# Altium PCB Copy of PCB.PcbDoc (part 1 of 3) (continued)
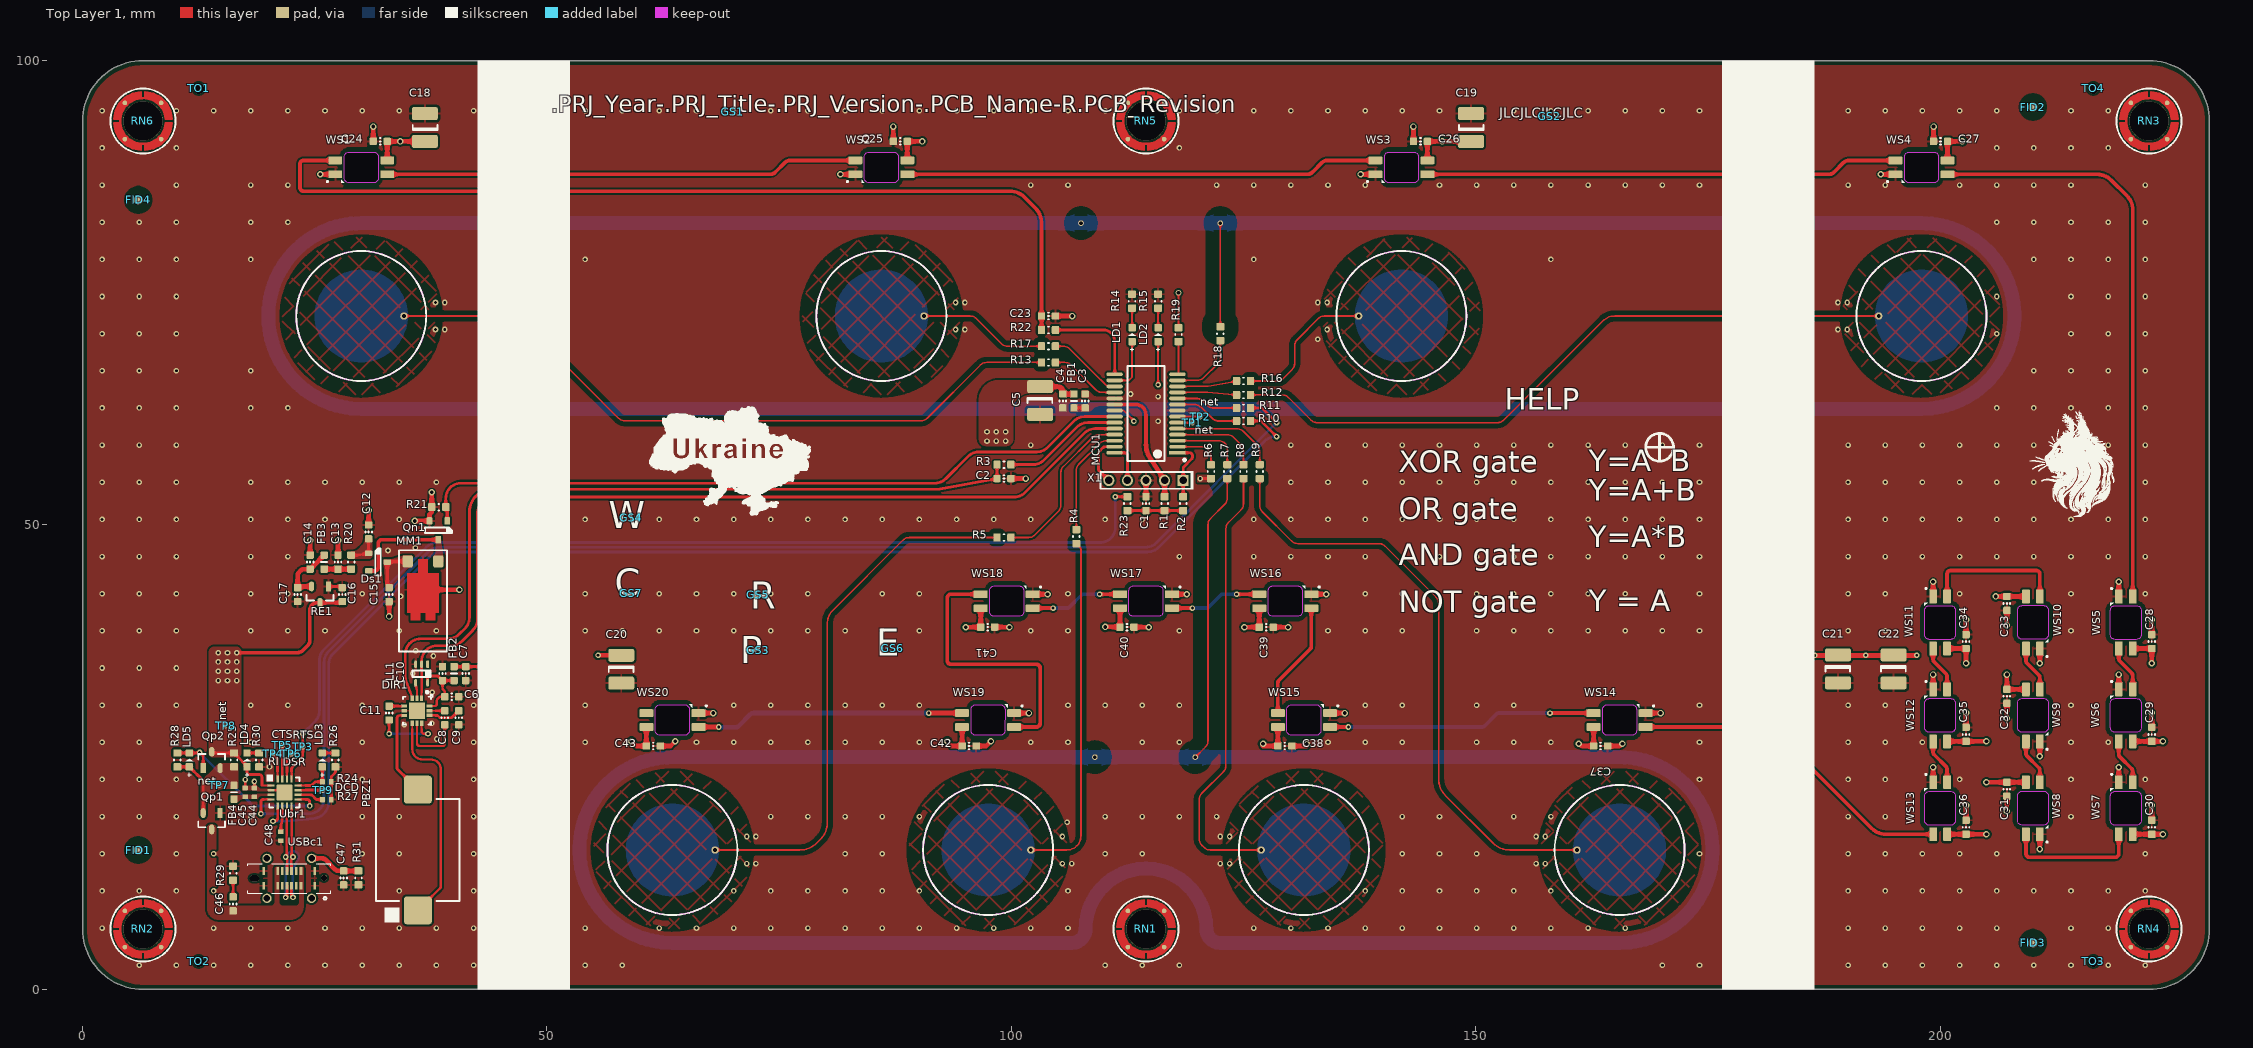
[diagram p0: Top Layer 1 view]
## Design rules (kind name [scope] priority, off if disabled: settings) (continued)
16 further rules are at their usual default settings.

## Classes and differential pairs
net class USB90Ohm: D_N D_P
component class "Touch Sensors": PSE1 PSE2 PSE3 PSE4 PSE5 TSE1 TSE2 TSE3 TSE4 TSE5 TSE6 TSE7 TSE8
component class Sound: C6 C7 C8 C9 C10 C11 C12 C13 C14 C15 C16 C17 DIR1 Ds1 FB2 FB3 LL1 MM1 PBZ1 Qn1 R20 R21 RE1
component class Power: C44 C45 C46 C47 C48 FB4 LD3 LD4 LD5 Qp1 Qp2 R23 R24 R25 R26 R27 R28 R29 R30 R31 TP3 TP4 TP5 TP6 TP7 TP8 TP9 Ubr1 USBc1
component class MCU: C1 C2 C3 C4 C5 FB1 LD1 LD2 MCU1 R1 R2 R3 R4 R5 R6 R7 R8 R9 R10 R11 R12 R13 R14 R15 R16 R17 R18 R19 TP1 TP2 X1
component class Display: C23 C25 C27 C29 C31 C33 C35 C36 C37 C38 C39 C42 C44 C45 C46 C47 C48 R22 WS1 WS2 WS3 WS4 WS5 WS6 WS7 WS8 WS9 WS10 WS11 WS12 WS13 WS14 WS15 WS16 WS17 WS18 WS19 WS20
differential pair D: +D_P -D_N

## Components (designator, comment, footprint, x,y, rotation, side; value= is the part's Value field where it differs from the comment)
C1 "100 nF ±10% 50V" CC0603(1608)x0.8 114.5,52.3 r270 top value=100nF
C2 "10 nF ±10% 50V" CC0603(1608)x0.8 99.208,55 r180 top value=10nF
C3 "100 nF ±10% 50V" CC0603(1608)x0.8 107.95,63.35 r270 top value=100nF
C4 "100 nF ±10% 50V" CC0603(1608)x0.8 105.55,63.35 r90 top value=100nF
C5 "100UF 6.3V CASE-B_3528" TANTAL_B 103.1,63.4 r270 top value=100uF
C6 "100 nF ±10% 50V" CC0603(1608)x0.8 39.75,31.5 r180 top value=100nF
C7 "100 nF ±10% 50V" CC0603(1608)x0.8 41.25,34 r90 top value=100nF
C8 "1uF ±10% 50V 0603" CC0603(1608)x0.8 39,29.25 r270 top value=1uF
C9 "2.2uF ±10% 16V 0603" CC0603(1608)x0.8 40.5,29.25 r270 top value=2.2uF
C10 "100 nF ±10% 50V" CC0603(1608)x0.8 38.75,34 r270 top value=100nF
C11 "1uF ±10% 50V 0603" CC0603(1608)x0.8 33,29.75 r270 top value=1uF
C12 "100 nF ±10% 50V" CC0603(1608)x0.8 30.8,49.25 r270 top value=100nF
C13 "100 nF ±10% 50V" CC0603(1608)x0.8 27.5,46 r270 top value=100nF
C14 "100 nF ±10% 50V" CC0603(1608)x0.8 24.5,46 r270 top value=100nF
C15 "100 nF ±10% 50V" CC0603(1608)x0.8 33,42.5 r90 top value=100nF
C16 "1uF ±10% 50V 0603" CC0603(1608)x0.8 27.957,42.509 r270 top value=1uF
C17 "1uF ±10% 50V 0603" CC0603(1608)x0.8 23.15,42.509 r90 top value=1uF
C18 "100UF 6.3V CASE-B_3528" TANTAL_B 36.847,92.8 r90 top value=100uF
C19 "100UF 6.3V CASE-B_3528" TANTAL_B 149.5,92.8 r90 top value=100uF
C20 "100UF 6.3V CASE-B_3528" TANTAL_B 58,34.47 r270 top value=100uF
C21 "100UF 6.3V CASE-B_3528" TANTAL_B 189,34.5 r270 top value=100uF
C22 "100UF 6.3V CASE-B_3528" TANTAL_B 195,34.5 r270 top value=100uF
C23 "220 pF ±10%" CC0603(1608)x0.8 104,72.5 r180 top value=220pF
C24 "100 nF ±10% 50V" CC0603(1608)x0.8 32.05,91.3 r0 top value=100nF
C25 "100 nF ±10% 50V" CC0603(1608)x0.8 88.05,91.3 r0 top value=100nF
C26 "100 nF ±10% 50V" CC0603(1608)x0.8 144.05,91.3 r0 top value=100nF
C27 "100 nF ±10% 50V" CC0603(1608)x0.8 200.05,91.3 r0 top value=100nF
C28 "100 nF ±10% 50V" CC0603(1608)x0.8 222.8,37.45 r270 top value=100nF
C29 "100 nF ±10% 50V" CC0603(1608)x0.8 222.8,27.45 r270 top value=100nF
C30 "100 nF ±10% 50V" CC0603(1608)x0.8 222.8,17.45 r270 top value=100nF
C31 "100 nF ±10% 50V" CC0603(1608)x0.8 207.2,21.55 r90 top value=100nF
C32 "100 nF ±10% 50V" CC0603(1608)x0.8 207.2,31.55 r90 top value=100nF
C33 "100 nF ±10% 50V" CC0603(1608)x0.8 207.2,41.55 r90 top value=100nF
C34 "100 nF ±10% 50V" CC0603(1608)x0.8 202.8,37.45 r270 top value=100nF
C35 "100 nF ±10% 50V" CC0603(1608)x0.8 202.8,27.45 r270 top value=100nF
C36 "100 nF ±10% 50V" CC0603(1608)x0.8 202.8,17.45 r270 top value=100nF
C37 "100 nF ±10% 50V" CC0603(1608)x0.8 163.45,26.2 r180 top value=100nF
C38 "100 nF ±10% 50V" CC0603(1608)x0.8 129.45,26.2 r180 top value=100nF
C39 "100 nF ±10% 50V" CC0603(1608)x0.8 127.45,39 r180 top value=100nF
C40 "100 nF ±10% 50V" CC0603(1608)x0.8 112.45,39 r180 top value=100nF
C41 "100 nF ±10% 50V" CC0603(1608)x0.8 97.45,39 r180 top value=100nF
C42 "100 nF ±10% 50V" CC0603(1608)x0.8 95.45,26.2 r180 top value=100nF
C43 "100 nF ±10% 50V" CC0603(1608)x0.8 61.45,26.2 r180 top value=100nF
C44 "10 uF 6.3V ±10%" CC0402(1005)x0.5 18.5,21.2 r90 top value=10uF
C45 "100nF 50V ±10% 0402" CC0402(1005)x0.5 17.5,21.2 r90 top value=100nF
C46 "0.22 uF ±10%" CC0603(1608)x0.8 16.2,9.2 r270 top value=220nF
C47 "100 nF ±10% 50V" CC0603(1608)x0.8 28.1,12 r90 top value=100nF
C48 "100nF 50V ±10% 0402" CC0402(1005)x0.5 21.35,16.492 r90 top value=100nF
DIR1 "PAM8904JPR" FP-U-QFN3030-12_Type_B-IPC_C 36,30 r270 top
Ds1 "BAV70" "SOT-23 - pdf" 31.8,46 r180 top
FB1 "GZ1608D601TF" FB0603(1608) 106.75,63.35 r270 top value=200mA
FB2 "GZ1608D601TF" FB0603(1608) 40,34 r90 top value=200mA
FB3 "GZ1608D601TF" FB0603(1608) 26,46 r90 top value=200mA
FB4 "GZ1608D601TF" FB0603(1608) 16.3,21.225 r270 top value=200mA
FID1 "Top(Bottom) Layer" "Fiducial marker top" 6,15 r0 top value="Top Layer"
FID2 "Top(Bottom) Layer" "Fiducial marker top" 210,95 r0 top value="Top Layer"
FID3 "Top(Bottom) Layer" "Fiducial marker top" 210,5 r0 top value="Top Layer"
FID4 "Top(Bottom) Layer" "Fiducial marker top" 6,85 r0 top value="Top Layer"
GS1 "Graphic symbol" _S_Project_CAT 70,94.5 r0 top
GS2 "Graphic symbol" _S_JLC 158,94 r0 top
GS3 "Graphic symbol" _S_Pb-free 72.75,36.5 r0 top
GS4 "Graphic symbol" _S_TR 59.1,50.8 r0 top
GS5 "Graphic symbol" _S_R 72.75,42.5 r0 top
GS6 "Graphic symbol" _S_ATTENTION2 87.25,36.75 r0 top
GS7 "Graphic symbol" _S_CE 59.1,42.675 r0 top
LD1 "KT-0603R" "LD0603 RED" 113,70.5 r270 top value=Red
LD2 "LED 0603 Yellow 120° 60mW" "LD0603 YELLOW" 115.8,70.5 r270 top value=Yellow
LD3 "KT-0603R" "LD0603 RED" 25.825,24.7 r270 top value=Red
LD4 "KT-0603R" "LD0603 RED" 17.7,24.7 r270 top value=Red
LD5 "LED 0603 Yellow 120° 60mW" "LD0603 YELLOW" 11.5,24.7 r270 top value=Yellow
LL1 "74AHC1G04GW,125" SOT353-5-TSSOP-M 36.5,34 r90 top value=74AHC1G04GW
MCU1 "PIC18F27Q84-I/SS" FP-C04-073-IPC_C 114.5,62 r180 top
MM1 "Z3OC1T8219731" VibrationMotor 36.65,42.675 r90 top locked
PBZ1 "KLJ-1102" Cy-SMD-1102-5041 36.1,15 r90 top
PSE1 "Connection point" "Connection point" 122.5,82.5 r180 bottom
PSE2 "Connection point" "Connection point" 107.5,82.5 r180 bottom
PSE3 "Connection point" "Connection point" 108.993,25 r180 bottom
PSE4 "Connection point" "Connection point" 119.8,25 r180 bottom
PSE5 "Connection point" "Connection point" 118,75 r90 bottom
Qn1 "2N7002" "SOT-23 - pdf" 38.3,49.425 r90 top
Qp1 "AO3401A" FP-SOT23-IPC_C 13.9,18.1 r90 top
Qp2 "AO3401A" FP-SOT23-IPC_C 13.9,24.7 r270 top
R1 "10K ±1% 0603" "RC0603(1608) -1%" 116.5,52.3 r90 top value="10 kOhm±1%"
R2 "1K ±1% 0603" "RC0603(1608) -1%" 118.5,52.3 r90 top value="1 kOhm±1%"
R3 "33R ±1% 0603" "RC0603(1608) -1%" 99.208,56.5 r180 top value="33 Ohm ±1%"
R4 "1K ±1% 0603" "RC0603(1608) -1%" 107,48.75 r90 top value="1 kOhm±1%"
R5 "1K ±1% 0603" "RC0603(1608) -1%" 99.208,48.65 r0 top value="1 kOhm±1%"
R6 "10K ±1% 0603" "RC0603(1608) -1%" 121.5,55.75 r90 top value="10 kOhm±1%"
R7 "1K ±1% 0603" "RC0603(1608) -1%" 123.25,55.75 r90 top value="1 kOhm±1%"
R8 "1K ±1% 0603" "RC0603(1608) -1%" 125,55.75 r90 top value="1 kOhm±1%"
R9 "1K ±1% 0603" "RC0603(1608) -1%" 126.75,55.75 r270 top value="1 kOhm±1%"
R10 "22R ±1% 0603" "RC0603(1608) -1%" 125,61.2 r180 top value="22 Ohm ±1%"
R11 "22R ±1% 0603" "RC0603(1608) -1%" 125,62.6 r180 top value="22 Ohm ±1%"
R12 "1K ±1% 0603" "RC0603(1608) -1%" 125,64 r0 top value="1 kOhm±1%"
R13 "1K ±1% 0603" "RC0603(1608) -1%" 104,67.5 r180 top value="1 kOhm±1%"
R14 "2.2K ±1% 0603" "RC0603(1608) -1%" 113,74.1 r270 top value="2.2 kOhm ±1%"
R15 "2.2K ±1% 0603" "RC0603(1608) -1%" 115.8,74.1 r270 top value="2.2 kOhm ±1%"
R16 "1K ±1% 0603" "RC0603(1608) -1%" 125,65.5 r0 top value="1 kOhm±1%"
R17 "1K ±1% 0603" "RC0603(1608) -1%" 104,69.25 r180 top value="1 kOhm±1%"
R18 "1K ±1% 0603" "RC0603(1608) -1%" 122.5,70.6 r90 top value="1 kOhm±1%"
R19 "1K ±1% 0603" "RC0603(1608) -1%" 118,70.5 r270 top value="1 kOhm±1%"
R20 "4.7R ±1% 0603" "RC0603(1608) -1%" 28.92,46 r270 top value="4.7 Ohm ±1%"
R21 "100K ±1%" "RC0603(1608) -1%" 38.35,51.925 r0 top value="100 kOhm ±1%"
R22 "330 R ±1%" "RC0603(1608) -1%" 104,71 r180 top value="330 Ohm ±1%"
R23 "0R ±1% 0603" "RC0603(1608)A J" 112.5,52.3 r270 top value="0 Ohm ±1%"
R24 "4.7K ±1% 0402" RC0402(1005)-1% 26.3,22.35 r0 top value="4.7 kOhm ±1%"
R25 "0R ±1% 0603" "RC0603(1608)A J" 16.305,24.7 r90 top value="0 Ohm ±1%"
R26 "2.2K ±1% 0603" "RC0603(1608) -1%" 27.22,24.7 r90 top value="2.2 kOhm ±1%"
R27 "10K ±1% 0402 50V" RC0402(1005)-1% 26.3,20.435 r0 top value="10 kOhm ±1%"
R28 "220 K ±1%" "RC0603(1608) -1%" 10.2,24.7 r270 top value="220 kOhm ±1%"
R29 "10R ±1% 0603" "RC0603(1608) -1%" 16.2,12.5 r270 top value="10 Ohm ±1%"
R30 "2.2K ±1% 0603" "RC0603(1608) -1%" 19,24.7 r90 top value="2.2 kOhm ±1%"
R31 "330 R ±1%" "RC0603(1608) -1%" 29.7,12 r270 top value="330 Ohm ±1%"
RE1 "XC6206P332MR" FP-SOT23-IPC_C 25.571,42.503 r90 top
RN1 "SMTSO25100CTJ" NUT2.5xL10.0 114.5,6.5 r0 top locked value=M2.5xL10.0mm
RN2 "SMTSO25100CTJ" NUT2.5xL10.0 6.5,6.5 r0 top value=M2.5xL10.0mm
RN3 "SMTSO25100CTJ" NUT2.5xL10.0 222.5,93.5 r0 top locked value=M2.5xL10.0mm
RN4 "SMTSO25100CTJ" NUT2.5xL10.0 222.5,6.5 r0 top locked value=M2.5xL10.0mm
RN5 "SMTSO25100CTJ" NUT2.5xL10.0 114.5,93.5 r0 top locked value=M2.5xL10.0mm
RN6 "SMTSO25100CTJ" NUT2.5xL10.0 6.5,93.5 r0 top locked value=M2.5xL10.0mm
TO1 "1.152mm" Tooling_Holes_1.152MM 12.5,97 r0 top
TO2 "1.152mm" Tooling_Holes_1.152MM 12.5,3 r0 top
TO3 "1.152mm" Tooling_Holes_1.152MM 216.5,3 r0 top
TO4 "1.152mm" Tooling_Holes_1.152MM 216.5,97 r0 top
TP1 "net" Test_Point_T_0.6mm 119.5,61.025 r180 top value=SMD
TP2 "net" Test_Point_T_0.6mm 120.345,61.675 r180 top value=SMD
TP3 "RTS" Test_Point_T_0.6mm 23.7,26.1 r180 top value=SMD
TP4 "RI" Test_Point_T_0.6mm 20.5,25.35 r180 top value=SMD
TP5 "CTS" Test_Point_T_0.6mm 21.5,26.3 r180 top value=SMD
TP6 "DSR" Test_Point_T_0.6mm 22.483,25.35 r180 top value=SMD
TP7 "net" Test_Point_T_0.6mm 14.7,22 r180 top value=SMD
TP8 "net" Test_Point_T_0.6mm 15.4,28.4 r180 top value=SMD
TP9 "DCD" Test_Point_T_0.6mm 25.844,21.45 r180 top value=SMD
TSE1 "Touch Sensors d10mm" "Circle d10mm_NOV" 30,72.5 r90 bottom
TSE2 "Touch Sensors d10mm" "Circle d10mm_NOV" 86,72.5 r90 bottom locked
TSE3 "Touch Sensors d10mm" "Circle d10mm_NOV" 142,72.5 r270 bottom
TSE4 "Touch Sensors d10mm" "Circle d10mm_NOV" 198,72.5 r270 bottom
TSE5 "Touch Sensors d10mm" "Circle d10mm_NOV" 63.5,15 r90 bottom
TSE6 "Touch Sensors d10mm" "Circle d10mm_NOV" 97.5,15 r90 bottom
TSE7 "Touch Sensors d10mm" "Circle d10mm_NOV" 131.5,15 r270 bottom
TSE8 "Touch Sensors d10mm" "Circle d10mm_NOV" 165.5,15 r270 bottom
Ubr1 "CH343P" TQFN-16-JLC 21.75,21.2 r270 top
USBc1 "GT-USB-7055E" TYPE-C16PIN-C7450622 22.25,11.95 r180 top
WS1 "DY-S352818/RGBC/6812-2T" "DY-S352818/RGBC/6812-2T - 1MM" 30,88.5 r0 top
WS2 "DY-S352818/RGBC/6812-2T" "DY-S352818/RGBC/6812-2T - 1MM" 86,88.5 r0 top
WS3 "DY-S352818/RGBC/6812-2T" "DY-S352818/RGBC/6812-2T - 1MM" 142,88.5 r0 top
WS4 "DY-S352818/RGBC/6812-2T" "DY-S352818/RGBC/6812-2T - 1MM" 198,88.5 r0 top
WS5 "DY-S352818/RGBC/6812-2T" "DY-S352818/RGBC/6812-2T - 1MM" 220,39.5 r270 top
WS6 "DY-S352818/RGBC/6812-2T" "DY-S352818/RGBC/6812-2T - 1MM" 220,29.5 r270 top
WS7 "DY-S352818/RGBC/6812-2T" "DY-S352818/RGBC/6812-2T - 1MM" 220,19.5 r270 top
WS8 "DY-S352818/RGBC/6812-2T" "DY-S352818/RGBC/6812-2T - 1MM" 210,19.5 r90 top
WS9 "DY-S352818/RGBC/6812-2T" "DY-S352818/RGBC/6812-2T - 1MM" 210,29.5 r90 top
WS10 "DY-S352818/RGBC/6812-2T" "DY-S352818/RGBC/6812-2T - 1MM" 210,39.5 r90 top
WS11 "DY-S352818/RGBC/6812-2T" "DY-S352818/RGBC/6812-2T - 1MM" 200,39.5 r270 top
WS12 "DY-S352818/RGBC/6812-2T" "DY-S352818/RGBC/6812-2T - 1MM" 200,29.5 r270 top
WS13 "DY-S352818/RGBC/6812-2T" "DY-S352818/RGBC/6812-2T - 1MM" 200,19.5 r270 top
WS14 "DY-S352818/RGBC/6812-2T" "DY-S352818/RGBC/6812-2T - 1MM" 165.5,29 r180 top
WS15 "DY-S352818/RGBC/6812-2T" "DY-S352818/RGBC/6812-2T - 1MM" 131.5,29 r180 top
WS16 "DY-S352818/RGBC/6812-2T" "DY-S352818/RGBC/6812-2T - 1MM" 129.5,41.8 r180 top
WS17 "DY-S352818/RGBC/6812-2T" "DY-S352818/RGBC/6812-2T - 1MM" 114.5,41.8 r180 top
WS18 "DY-S352818/RGBC/6812-2T" "DY-S352818/RGBC/6812-2T - 1MM" 99.5,41.8 r180 top
WS19 "DY-S352818/RGBC/6812-2T" "DY-S352818/RGBC/6812-2T - 1MM" 97.5,29 r180 top
WS20 "DY-S352818/RGBC/6812-2T" "DY-S352818/RGBC/6812-2T - 1MM" 63.5,29 r180 top
X1 "PL2N-05n" PL2N-05 114.5,54.8 r180 top value=5*2mm

## Footprints (in the part's own frame and the unit in brackets; to place one, negate y for a bottom-side part, rotate by r counter-clockwise, add the part's x,y. Pads: shape width x height; smd on the part's side, far side on the other; paste and mask are expansions set on the pad)
_S_ATTENTION2 [mm] "Graphic symbol"
_S_CE [mm] "Graphic symbol"
_S_JLC [mm] "Graphic symbol"
_S_Pb-free [mm] "Graphic symbol"
_S_Project_CAT [mm] "Graphic symbol"
_S_R [mm] "Graphic symbol"
_S_TR [mm] "Graphic symbol"
CC0402(1005)x0.5 [mm]
  rrect25% 0.5x0.6 smd paste-0.05 mask+0.05: 1(-0.475,0) 2(0.475,0)
  body extent -0.5,-0.25 0.5,0.25, height 0.51
CC0603(1608)x0.8 [mm]
  rrect30% 0.8x0.8 smd paste-0.05 mask+0.05: 1(-0.75,0) 2(0.75,0)
  silkscreen extent -0.05,-0.35 0.05,0.35, body extent -0.8,-0.4 0.8,0.4, height 0.81
"Circle d10mm_NOV" [mm]
  round 0.8 hole 0.4 paste-2539.97 mask+0.05: 1(0,4.6)
  Top Layer 1 region: 0,-5 -1.913,-4.619 -3.536,-3.536 -4.619,-1.913 -5,0 -5,0 -4.619,1.913 -3.536,3.536 -1.913,4.619 0,5 0,5 1.913,4.619 3.536,3.536 4.619,1.913 5,0 5,0 4.619,-1.913 3.536,-3.536 1.913,-4.619 0,-5
  Top Layer 1 pour cut-out: 0,-7 -2.679,-6.467 -4.95,-4.95 -6.467,-2.679 -7,0 -7,0 -6.467,2.679 -4.95,4.95 -2.679,6.467 0,7 0,7 2.679,6.467 4.95,4.95 6.467,2.679 7,0 7,0 6.467,-2.679 4.95,-4.95 2.679,-6.467 0,-7
  Inner Layer 2 pour cut-out: 0,-7 -2.679,-6.467 -4.95,-4.95 -6.467,-2.679 -7,0 -7,0 -6.467,2.679 -4.95,4.95 -2.679,6.467 0,7 0,7 2.679,6.467 4.95,4.95 6.467,2.679 7,0 7,0 6.467,-2.679 4.95,-4.95 2.679,-6.467 0,-7
  Inner Layer 3 pour cut-out: 0,-7 -2.679,-6.467 -4.95,-4.95 -6.467,-2.679 -7,0 -7,0 -6.467,2.679 -4.95,4.95 -2.679,6.467 0,7 0,7 2.679,6.467 4.95,4.95 6.467,2.679 7,0 7,0 6.467,-2.679 4.95,-4.95 2.679,-6.467 0,-7
  Bottom Layer 4 keep-out lines w0.2: -1.455,6.847 ccw(c0,0) 1.455,6.847
"Connection point" [mm] "d2mm"
  rrect50% 2x2 / inner round 1 / far side round 0.6 hole 0.4 paste-2539.97 mask+0.05: 1(0,0)
Cy-SMD-1102-5041 [mm] "Externally Driven 70dB@5V,10cm Externally Driven 4100Hz SMD,9x11mm"
  rrect20% 3x3 smd paste-0.05 mask+0.05: 1(-6.5,0) 2(6.5,0)
  silkscreen extent -7.8,-4.5 5.5,4.5, body extent -7.5,-4.5 7.5,4.5, height 1.75
"DY-S352818/RGBC/6812-2T - 1MM" [mm] "through the board"
  rrect20% 1.5x0.82 smd paste-0.05 mask+0.05: 1(-2.8,-0.75) 2(-2.8,0.75) 3(2.8,0.75) 4(2.8,-0.75)
  Keep-Out Layer board cut-out: -1.818,-1.15 -1.817,1.15 -1.818,1.15 -1.78,1.341 -1.672,1.504 -1.51,1.612 -1.318,1.65 -1.318,1.65 1.332,1.65 1.523,1.612 1.685,1.504 1.794,1.341 1.832,1.15 1.832,1.15 1.831,-1.15 1.793,-1.341 1.685,-1.504 1.523,-1.612 1.332,-1.65 1.332,-1.65 -1.318,-1.65 -1.51,-1.612 -1.672,-1.504 -1.78,-1.341 -1.818,-1.15
  silkscreen extent -3.72,-1.68 -1.82,-1.32, body extent -2.94,-1.41 2.94,1.4, height 0.94
FB0603(1608) [mm]
  rrect30% 0.8x0.8 smd paste-0.05 mask+0.05: 1(-0.75,0) 2(0.75,0)
  silkscreen extent 0,-0.33 0,0.33, body extent -0.8,-0.4 0.8,0.4, height 0.8
"Fiducial marker top" [mm] "Fiducial marker"
  round 1 smd paste-0.5 mask+0.5: 1(0,0)
  Top Layer 1 pour cut-out: -1.5,0 -1.299,-0.75 -0.75,-1.299 0,-1.5 0,-1.5 0.75,-1.299 1.299,-0.75 1.5,0 1.5,0 1.386,0.574 1.061,1.061 0.574,1.386 0,1.5 0,1.5 -0.574,1.386 -1.061,1.061 -1.386,0.574 -1.5,0
FP-C04-073-IPC_C [mm]
  rect 1.753x0.415 smd paste-0.05 mask+0.05: 1(-3.375,4.225)
  rrect100% 1.753x0.415 smd paste-0.05 mask+0.05: 2(-3.375,3.575) 3(-3.375,2.925) 4(-3.375,2.275) 5(-3.375,1.625) 6(-3.375,0.975) 7(-3.375,0.325) 8(-3.375,-0.325) 9(-3.375,-0.975) 10(-3.375,-1.625) 11(-3.375,-2.275) 12(-3.375,-2.925) 13(-3.375,-3.575) 14(-3.375,-4.225) 15(3.375,-4.225) 16(3.375,-3.575) 17(3.375,-2.925) 18(3.375,-2.275) 19(3.375,-1.625) 20(3.375,-0.975) 21(3.375,-0.325) 22(3.375,0.325) 23(3.375,0.975) 24(3.375,1.625) 25(3.375,2.275) 26(3.375,2.925) 27(3.375,3.575) 28(3.375,4.225)
  silkscreen extent -4.28,-5.1 2,5.12, body extent -3.91,-5.1 3.91,5.1, height 2
FP-SOT23-IPC_C [mm]
  rect 1.059x0.547 smd paste-0.05 mask+0.05: 1(0.877,-0.915)
  rrect100% 1.059x0.547 smd paste-0.05 mask+0.05: 2(0.877,0.915) 3(-0.877,0)
  silkscreen extent -0.65,-1.45 -0.03,1.45, body extent -1.2,-1.45 1.2,1.45, height 1.1
FP-U-QFN3030-12_Type_B-IPC_C [mm]
  rect 0.6x0.35 smd paste+0 mask+0: 1(-1.35,0.5) 2(-1.35,0) 3(-1.35,-0.5) 7(1.35,-0.5) 8(1.35,0) 9(1.35,0.506)
  rect 0.35x0.6 smd paste+0 mask+0: 4(-0.5,-1.35) 5(0,-1.35) 6(0.506,-1.35) 10(0.5,1.35) 11(0,1.35) 12(-0.5,1.35)
  rect 1.75x1.75 smd paste-1000 mask+0: 13(0,0)
  silkscreen extent -2.12,-1.5 1.5,1.7, body extent -1.5,-1.5 1.5,1.5, height 0.6
"LD0603 RED" [mm]
  rrect20% 0.8x0.8 smd paste-0.05 mask+0.05: 1(-0.75,0) 2(0.75,0)
  silkscreen extent -0.15,-0.4 1.8,0.4, body extent -0.8,-0.4 0.8,0.4, height 0.7
"LD0603 YELLOW" [mm]
  rrect20% 0.8x0.8 smd paste-0.05 mask+0.05: 1(-0.75,0) 2(0.75,0)
  silkscreen extent -0.15,-0.4 1.8,0.4, body extent -0.8,-0.4 0.8,0.4, height 0.7
NUT2.5xL10.0 [mm] "for use assembly, Plated through hole not required"
  round 0.5 smd paste-2539.97 mask+0.05: 1(-1.95,-1.95) 1(-1.95,1.95) 1(1.95,-1.95) 1(1.95,1.95)
  round 4.22 hole 4.22 unplated paste-2539.97 mask+0.05: MH(0,0)
  Top Layer 1 region: -3.1,-0.15 -2.597,-0.15 -2.574,-0.144 -2.556,-0.126 -2.55,-0.103 -2.55,-0.102 -2.55,0.1 -2.554,0.119 -2.565,0.135 -2.581,0.146 -2.6,0.15 -2.6,0.15 -3.1,0.15 -3.138,0.158 -3.17,0.18 -3.19,0.213 -3.196,0.251 -3.196,0.251 -2.759,1.693 -1.693,2.759 -0.251,3.196 -0.251,3.196 -0.213,3.19 -0.18,3.17 -0.158,3.138 -0.15,3.1 -0.15,3.1 -0.15,2.6 -0.146,2.581 -0.135,2.565 -0.119,2.554 -0.1,2.55 -0.1,2.55 0.1,2.55 0.125,2.557 0.143,2.575 0.15,2.6 0.15,2.6 0.15,3.1 0.158,3.138 0.18,3.17 0.213,3.19 0.251,3.196 0.251,3.196 1.693,2.759 2.759,1.693 3.196,0.251 3.196,0.251 3.19,0.213 3.17,0.18 3.138,0.158 3.1,0.15 3.1,0.15 2.55,0.15 2.45,0.15 2.399,0.163 2.36,0.199 2.342,0.249 2.342,0.249 1.963,1.327 1.113,2.09 0,2.35 0,2.35 -1.17,2.028 -2.028,1.17 -2.35,0 -2.35,0 -2.171,-0.9 -1.661,-1.662 -0.898,-2.171 0.002,-2.35 0.002,-2.35 1.103,-2.076 1.946,-1.318 2.336,-0.253 2.336,-0.253 2.355,-0.2 2.396,-0.163 2.45,-0.15 2.45,-0.15 3.1,-0.15 3.138,-0.158 3.17,-0.18 3.19,-0.213 3.196,-0.251 3.196,-0.251 2.759,-1.694 1.694,-2.759 0.251,-3.196 0.251,-3.196 0.213,-3.19 0.18,-3.17 0.158,-3.138 0.15,-3.1 0.15,-3.1 0.15,-2.6 0.146,-2.581 0.135,-2.565 0.119,-2.554 0.1,-2.55 0.1,-2.55 -0.1,-2.55 -0.119,-2.554 -0.135,-2.565 -0.146,-2.581 -0.15,-2.6 -0.15,-2.6 -0.15,-3.1 -0.158,-3.138 -0.18,-3.17 -0.213,-3.191 -0.251,-3.196 -0.251,-3.196 -1.693,-2.759 -2.759,-1.693 -3.196,-0.251 -3.196,-0.251 -3.19,-0.213 -3.17,-0.18 -3.138,-0.158 -3.1,-0.15
  silkscreen extent -3.5,-3.5 3.5,3.5, body extent -2.78,-2.77 2.78,2.77, height 10
PL2N-05 [mm] "2.00 mm"
  rect 1.2x1.2 hole 0.8 paste-2539.97 mask+0.05: 1(-4,0)
  round 1.2 hole 0.8 paste-2539.97 mask+0.05: 2(-2,0) 3(0,0) 4(2,0) 5(4,0)
  silkscreen extent -5.12,-1 4.9,1
RC0402(1005)-1% [mm]
  rrect25% 0.5x0.6 smd paste-0.05 mask+0.05: 1(-0.475,0) 2(0.475,0)
  body extent -0.5,-0.25 0.5,0.25, height 0.36
"RC0603(1608) -1%" [mm]
  rrect30% 0.8x0.87 smd paste-0.05 mask+0.05: 1(-0.75,0) 2(0.75,0)
  silkscreen extent -0.05,-0.35 0.05,0.35, body extent -0.8,-0.4 0.8,0.4, height 0.45
"RC0603(1608)A J" [mm]
  rrect30% 0.8x0.87 smd paste-0.05 mask+0.05: 1(-0.75,0) 2(0.75,0)
  silkscreen extent -0.05,-0.35 0.05,0.35, body extent -0.8,-0.4 0.8,0.4, height 0.45
SOT353-5-TSSOP-M [mm]
  rrect30% 0.8x0.3 smd paste-0.05 mask+0.05: 1(1,-0.65)
  oval 0.8x0.3 smd paste-0.05 mask+0.05: 2(1,0) 3(1,0.65) 4(-1,0.65) 5(-1,-0.65)
  silkscreen extent -0.35,-0.95 0.35,0.98, body extent -1.05,-1 1.05,1, height 0.9
"SOT-23 - pdf" [mm] "www.cj-elec.com"
  rrect30% 0.8x0.6 smd paste-0.05 mask+0.05: 1(1.01,-0.95) 2(1.01,0.95) 3(-1.01,0)
  silkscreen extent -0.3,-1.46 0.29,1.45, body extent -1.27,-1.5 1.23,1.5, height 1.09
TANTAL_B [mm]
  rrect30% 1.4x2.8 smd paste-0.05 mask+0.05: 1(-1.5,0) 2(1.5,0)
  silkscreen extent -0.3,-1.35 0.3,1.35, body extent -1.75,-1.4 1.75,1.4, height 1.9
Test_Point_T_0.6mm [mm] "PC Test Point, P0.6,C0.8"
  round 0.6 smd paste-0.3 mask+0.05: 1(0,0)
Tooling_Holes_1.152MM [mm] "for assembly JLC"
  round 1.152 hole 1.152 unplated paste-2539.97 mask+0.1: 1(0,0)
TQFN-16-JLC [mm] "TQFN-16_L3.0-W3.0-P0.50-BL-EP1.7"
  rrect30% 0.25x0.75 smd paste+0 mask+0.05: 1(-0.75,-1.45) 2(-0.25,-1.45) 3(0.25,-1.45) 4(0.75,-1.45) 9(0.75,1.45) 10(0.25,1.45) 11(-0.25,1.45) 12(-0.75,1.45)
  rrect30% 0.75x0.25 smd paste+0 mask+0.05: 5(1.45,-0.75) 6(1.45,-0.25) 7(1.45,0.25) 8(1.45,0.75) 13(-1.45,0.75) 14(-1.45,0.249) 15(-1.45,-0.25) 16(-1.45,-0.75)
  rrect10% 1.7x1.7 smd paste-0.312 mask+0.05: 17(0,0)
  silkscreen extent -1.95,-1.95 1.63,1.59, body extent -1.52,-1.55 1.52,1.49, height 0.9
TYPE-C16PIN-C7450622 [mm] "C7450622"
  rect 0.3x0.85 smd paste-0.05 mask+0.05: A1(-2.75,0.8) A4(-1.25,0.8) A5(-0.75,0.8) A6(-0.25,0.8) A7(0.25,0.8) A8(0.75,0.8) A9(1.25,0.8) A12(2.75,0.8) B1(2.75,-0.8) B4(1.25,-0.8) B5(0.75,-0.8) B6(0.25,-0.8) B7(-0.25,-0.8) B8(-0.75,-0.8) B9(-1.25,-0.8) B12(-2.75,-0.8)
  round 0.65 hole 0.65 paste-2539.97 mask+0.05: MH(-3.75,-0.05)
  oval 1x0.65 hole 0.65 slot 1 at 0 deg unplated paste-2539.97 mask+0.05: MH(3.75,0)
  round 1 hole 0.7 paste-2539.97 mask+0.05: SH(-2.4,2.15) SH(-2.4,-2.15) SH(2.4,2.15) SH(2.4,-2.15)
  silkscreen extent -4.47,-1.59 4.47,2.3, body extent -4.42,-2.27 4.42,2.27, height 5.9
VibrationMotor [mm]
  rrect30% 1.3x1.1 smd paste-0.05 mask+0.05: 1(3.4,1.65) 2(3.4,-1.65)
  round 0.025 smd paste-1.7 mask+0.05: 3(0.35,0)
  Top Layer 1 region: 3.65,-0.5 2.15,-0.5 2.15,-1.7 -2.15,-1.7 -2.15,-1.3 -2.95,-1.3 -2.95,-0.3 -2.15,-0.3 -2.15,0.3 -2.95,0.3 -2.95,1.3 -2.15,1.3 -2.15,1.7 2.15,1.7 2.15,0.5 3.65,0.5
  silkscreen extent -6.3,-2.6 4.6,2.6, body extent -6.25,-2.15 4.55,2.14, height 3.59

## Part data
C1 C3 C4 C6 C7 C10 C12 C13 C14 C15 C24 C25 C26 C27 C28 C29 C30 C31 C32 C33 C34 C35 C36 C37 C38 C39 C40 C41 C42 C43 C47: library part "0603 0.1 uF (B)", "100 nF ±10% 50V X7R", Case/Package=0603, Manufacturer 1=YAGEO, Manufacturer Part Number 1=CC0603KRX7R9BB104, Operating Temperature="-55C to +125C", Supplier Part Number 1=C14663, Temperature Coefficient=X7R, Tolerance=±10%, Voltage=50V, Assembly type="Basic Part", Detailed Description="50V 100nF X7R ±10% 0603  Multilayer Ceramic Capacitors MLCC - SMD/SMT ROHS", Footprint check status=Verified, HelpURL=https://datasheet.lcsc.com/lcsc/1809301912_YAGEO-CC0603KRX7R9BB104_C14663.pdf, MountType=SMD, Note="Ceramic Capacitors", Publisher="Catcatcat Electronics", QuantityElements=1, Supplier 1=LCSC, Supplier Unit Price 1=0.0021, Supplier URL 1=https://jlcpcb.com/parts/componentSearch?searchTxt=, Website developer=http://catcatcat.d-lan.dp.ua/
C2: library part "0603 0.01 uF (B)", "10 nF ±10% 50V X7R", Case/Package=0603, Manufacturer 1="Guangdong Fenghua Advanced Tech", Manufacturer Part Number 1=0603B103K500NT, Operating Temperature="-55C to +125C", Supplier Part Number 1=C57112, Temperature Coefficient=X7R, Tolerance=±10%, Voltage=50V, Assembly type="Basic Part", Detailed Description="50V 10nF X7R ±10% 0603  Multilayer Ceramic Capacitors MLCC - SMD/SMT ROHS", Footprint check status=Verified, HelpURL=https://datasheet.lcsc.com/szlcsc/Guangdong-Fenghua-Advanced-Tech-0603B103K500NT_C57112.pdf, MountType=SMD, Note="Ceramic Capacitors", Publisher="Catcatcat Electronics", QuantityElements=1, Supplier 1=LCSC, Supplier Unit Price 1=0.0012, Supplier URL 1=https://jlcpcb.com/parts/componentSearch?searchTxt=, Website developer=http://catcatcat.d-lan.dp.ua/
C5 C18 C19 C20 C21 C22: library part "TANTAL-B 100uF 6.3V (B)", "Tantalum Capacitors 100uF 6.3V CASE-B_3528 RoHS", Case/Package=CASE-B_3528, Lifetime @ Temp=2000Hrs@105℃, Manufacturer 1=AVX, Manufacturer Part Number 1=TAJB107K006RNJ, Supplier Part Number 1=C16133, Voltage=6.3V, Assembly type="Basic Part", Detailed Description="Tantalum Capacitors 100uF 6.3V CASE-B_3528 RoHS", Footprint check status=Verified, HelpURL=https://datasheet.lcsc.com/szlcsc/AVX-TAJB107K006RNJ_C16133.pdf, MountType=SMD, Note="Tantalum Capacitors", Publisher="Catcatcat Electronics", QuantityElements=1, Supplier 1=LCSC, Supplier Unit Price 1=0.1177, Supplier URL 1=https://jlcpcb.com/parts/componentSearch?searchTxt=, Website developer=http://catcatcat.d-lan.dp.ua/
C8 C11 C16 C17: library part "0603 1.0 uF 50V (B)", "1.0 uF ±10% 50V X5R", Case/Package=0603, Manufacturer 1="Samsung Electro-Mechanics", Manufacturer Part Number 1=CL10A105KB8NNNC, Operating Temperature="-55C to +125C", Supplier Part Number 1=C15849, Temperature Coefficient=X5R, Tolerance=±10%, Voltage=50V, Assembly type="Basic Part", Detailed Description="50V 1uF X5R ±10% 0603  Multilayer Ceramic Capacitors MLCC - SMD/SMT ROHS", Footprint check status=Verified, HelpURL=https://datasheet.lcsc.com/szlcsc/Samsung-Electro-Mechanics-CL10A105KB8NNNC_C15849.pdf, MountType=SMD, Note="Ceramic Capacitors", Publisher="Catcatcat Electronics", QuantityElements=1, Supplier 1=LCSC, Supplier Unit Price 1=0.0051, Supplier URL 1=https://jlcpcb.com/parts/componentSearch?searchTxt=, Website developer=http://catcatcat.d-lan.dp.ua/
C9: library part "0603 2.2 uF 16V (B)", "2.2 uF ±10% 16V X5R", Case/Package=0603, Manufacturer 1="Samsung Electro-Mechanics", Manufacturer Part Number 1=CL10A225KO8NNNC, Operating Temperature="-55C to +125C", Supplier Part Number 1=C23630, Temperature Coefficient=X5R, Tolerance=±10%, Voltage=16V, Assembly type="Basic Part", Detailed Description="16V 2.2uF X5R ±10% 0603  Multilayer Ceramic Capacitors MLCC - SMD/SMT ROHS", Footprint check status=Verified, HelpURL=https://datasheet.lcsc.com/szlcsc/Samsung-Electro-Mechanics-CL10A225KO8NNNC_C23630.pdf, MountType=SMD, Note="Ceramic Capacitors", Publisher="Catcatcat Electronics", QuantityElements=1, Supplier 1=LCSC, Supplier Unit Price 1=0.0059, Supplier URL 1=https://jlcpcb.com/parts/componentSearch?searchTxt=, Website developer=http://catcatcat.d-lan.dp.ua/
C23: library part "0603 0.000220 uF (B)", "220 pF ±10% 50V X7R", Case/Package=0603, Manufacturer 1="Samsung Electro-Mechanics", Manufacturer Part Number 1=CL10B221KB8NNNC, Operating Temperature="-55C to +125C", Supplier Part Number 1=C1603, Temperature Coefficient=X7R, Tolerance=±10%, Voltage=50V, Assembly type="Basic Part", Detailed Description="50V 220pF X7R ±10% 0603  Multilayer Ceramic Capacitors MLCC - SMD/SMT ROHS", Footprint check status=Verified, HelpURL=https://datasheet.lcsc.com/lcsc/1810261515_Samsung-Electro-Mechanics-CL10B221KB8NNNC_C1603.pdf, MountType=SMD, Note="Ceramic Capacitors", Publisher="Catcatcat Electronics", QuantityElements=1, Supplier 1=LCSC, Supplier Unit Price 1=0.0074, Supplier URL 1=https://jlcpcb.com/parts/componentSearch?searchTxt=, Website developer=http://catcatcat.d-lan.dp.ua/
C44: library part "0402 10 uF 6.3V (B)", "10 uF ±10% 6.3V X7R", Case/Package=0402, Manufacturer 1="Samsung Electro-Mechanics", Manufacturer Part Number 1=CL05A106MQ5NUNC, Operating Temperature="-55C to +125C", Supplier Part Number 1=C15525, Tolerance="±10 %", Voltage=6.3V, Assembly type="Basic Part", Detailed Description="MULTILAYER CERAMIC CAPACITORS MLCC - SMD/SMT 10UF 6.3V 0402 ROHS", Footprint check status=Verified, MountType=SMD, Note="Ceramic Capacitors", Publisher="Catcatcat Electronics", QuantityElements=1, Supplier 1=LCSC, Supplier Unit Price 1=0.0052, Supplier URL 1=https://jlcpcb.com/parts/componentSearch?searchTxt=, Website developer=http://catcatcat.d-lan.dp.ua/
C45 C48: library part "0402 0.1 uF 50V (B)", "100 nF ±10% 50V X7R", Case/Package=0402, Manufacturer 1="Guangdong Fenghua Advanced Tech", Manufacturer Part Number 1=CL05B104KB54PNC, Operating Temperature="-55C to +125C", Supplier Part Number 1=C307331, Temperature Coefficient=X7R, Tolerance="±10 %", Voltage=50V, Assembly type="Basic Part", Detailed Description="50V 100nF X7R ±10% 0402 Multilayer Ceramic Capacitors MLCC - SMD/SMT ROHS", Footprint check status=Verified, HelpURL=https://datasheet.lcsc.com/lcsc/1810191222_Samsung-Electro-Mechanics-CL05B104KB54PNC_C307331.pdf, MountType=SMD, Note="Ceramic Capacitors", Publisher="Catcatcat Electronics", QuantityElements=1, Supplier 1=LCSC, Supplier Unit Price 1=0.0065, Supplier URL 1=https://jlcpcb.com/parts/componentSearch?searchTxt=, Website developer=http://catcatcat.d-lan.dp.ua/
C46: library part "0603 0.22 uF 25V (B)", "220 nF ±10% 25V X7R", Case/Package=0603, Manufacturer 1="Samsung Electro-Mechanics", Manufacturer Part Number 1=CL10B224KA8NNNC, Operating Temperature="-55C to +125C", Supplier Part Number 1=C21120, Temperature Coefficient=X7R, Tolerance=±10%, Voltage=25V, Assembly type="Basic Part", Detailed Description="25V 220nF X7R ±10% 0603 Multilayer Ceramic Capacitors MLCC - SMD/SMT ROHS", Footprint check status=Verified, HelpURL=https://datasheet.lcsc.com/lcsc/1810261513_Samsung-Electro-Mechanics-CL10B224KA8NNNC_C21120.pdf, MountType=SMD, Note="Ceramic Capacitors", Publisher="Catcatcat Electronics", QuantityElements=1, Supplier 1=LCSC, Supplier Unit Price 1=0.0045, Supplier URL 1=https://jlcpcb.com/parts/componentSearch?searchTxt=, Website developer=http://catcatcat.d-lan.dp.ua/
DIR1: library part "PAM8904JPR (E)", "PIEZO SOUNDER DRIVER 18VPP OUTPUT", Case/Package=UQFN3030-12, Manufacturer 1="Diodes Incorporated", Operating Temperature="-40 to +85°C", Output Power=W, Supplier Part Number 1=C780875, Temp.Characteristic="-40°C ~ 85°C (TA)", Voltage="1.8V to 5.5V", Assembly type="Extended Part", Detailed Description="PIEZO SOUNDER DRIVER 18VPP OUTPUT", ECCN=EAR99, Footprint check status=Verified, HelpURL=https://datasheet.lcsc.com/lcsc/2210281000_Diodes-Incorporated-PAM8904JPR_C780875.pdf, Manufacturer Part Number 1=PAM8904JPR, MountType=SMD, Note="A/D converter", Output Impedance=Ohms, Publisher="Catcatcat Electronics", QuantityElements=1, Supplier 1=LCSC, Supplier Unit Price 1=0.4560, Supplier URL 1=https://www.lcsc.com/product-detail/Audio-Power-OpAmps_Diodes-Incorporated-PAM8904JPR_C780875.html, Total Harmonic Distortion=%, Website developer=http://catcatcat.d-lan.dp.ua/
Ds1: library part "BAV70 (B)", "Switching SOT-23, 200 mA 70 V", Case/Package=SOT-23, Current=150mA, Manufacturer 1="Changjiang Electronics Tech (CJ)", Reverse Current (uA/5V/25°C)=uA, Supplier Part Number 1=C68978, Temp.Characteristic="-40C to +85C", Voltage="70 V", Assembly type="Basic Part", Detailed Description="70V +150℃@(Tj) 225mW Dual Common Cathode 1.25V@150mA 6ns 2.5uA@70V 200mA SOT-23  Switching Diode ROHS", Footprint check status=Verified, HelpURL=https://datasheet.lcsc.com/lcsc/1809211023_Jiangsu-Changjing-Electronics-Technology-Co---Ltd--BAV70_C68978.pdf, Manufacturer Part Number 1=BAV70, Marking=A4, MountType=SMD, Note=Diode, Publisher="Catcatcat Electronics", QuantityElements=1, Supplier 1=LCSC, Supplier Unit Price 1=0.0195, Supplier URL 1=https://www.lcsc.com/product-detail/Switching-Diode_Jiangsu-Changjing-Electronics-Technology-Co-Ltd-BAV70_C68978.html, Website developer=http://catcatcat.d-lan.dp.ua/
FB1 FB2 FB3 FB4: library part "0603 GZ1608D601TF (B)", "0.20A 600 Ohm @100MHz 450 mOhm", Case/Package=0603, Manufacturer 1=Sunlord, Supplier Part Number 1=C1002, Temp.Characteristic="-55°C ~ 125°C", Assembly type="Basic Part", Detailed Description="450mΩ ±25% 600Ω@100MHz 0603  Ferrite Beads ROHS", Footprint check status=Verified, HelpURL=https://datasheet.lcsc.com/lcsc/1811091241_Sunlord-GZ1608D601TF_C1002.pdf, Manufacturer Part Number 1=GZ1608D601TF, MountType=SMD, Note="Ferrite Beads and Chips", Publisher="Catcatcat Electronics", QuantityElements=1, Supplier 1=LCSC, Supplier Unit Price 1=0.0045, Supplier URL 1=https://jlcpcb.com/parts/componentSearch?searchTxt=, Website developer=http://catcatcat.d-lan.dp.ua/
FID1 FID2 FID3 FID4: library part "Fiducial marker Top", "For Assembly Top(Bottom) Layer", Case/Package="Fiducial Marker", Assembly type="Fiducial Marker", Footprint check status=Verified, Manufacturer Part Number 1="Fiducial Marker", Note="Fiducial marker", Publisher="Catcatcat Electronics", Supplier 1=LCSC, Supplier URL 1=https://jlcpcb.com/parts/componentSearch?searchTxt=, Website developer=http://catcatcat.d-lan.dp.ua/
GS1: library part _S_Project, "Graphic symbol for marking on a PCB", Assembly type="Graphic symbol", Case/Package="Graphic symbol", Footprint check status=Verified, Manufacturer Part Number 1="Graphic symbol", Note="Graphic symbol", Publisher="Catcatcat Electronics", Supplier URL 1=https://jlcpcb.com/parts/componentSearch?searchTxt=, Website developer=http://catcatcat.d-lan.dp.ua/
GS2: library part _S_JLC, "Graphic symbol for marking on a PCB", Assembly type="Graphic symbol", Case/Package="Graphic symbol", Footprint check status=Verified, Manufacturer Part Number 1="Graphic symbol", Note="Graphic symbol", Publisher="Catcatcat Electronics", Supplier URL 1=https://jlcpcb.com/parts/componentSearch?searchTxt=, Website developer=http://catcatcat.d-lan.dp.ua/
GS3: library part _S_PF, "Graphic symbol for marking on a PCB", Assembly type="Graphic symbol", Case/Package="Graphic symbol", Footprint check status=Verified, Manufacturer Part Number 1="Graphic symbol", Note="Graphic symbol", Publisher="Catcatcat Electronics", Supplier URL 1=https://jlcpcb.com/parts/componentSearch?searchTxt=, Website developer=http://catcatcat.d-lan.dp.ua/
GS4: library part _S_TR, "Graphic symbol for marking on a PCB", Assembly type="Graphic symbol", Case/Package="Graphic symbol", Footprint check status=Verified, Manufacturer Part Number 1="Graphic symbol", Note="Graphic symbol", Publisher="Catcatcat Electronics", Supplier URL 1=https://jlcpcb.com/parts/componentSearch?searchTxt=, Website developer=http://catcatcat.d-lan.dp.ua/
GS5: library part _S_R, "Graphic symbol for marking on a PCB", Assembly type="Graphic symbol", Case/Package="Graphic symbol", Footprint check status=Verified, Manufacturer Part Number 1="Graphic symbol", Note="Graphic symbol", Publisher="Catcatcat Electronics", Supplier URL 1=https://jlcpcb.com/parts/componentSearch?searchTxt=, Website developer=http://catcatcat.d-lan.dp.ua/
GS6: library part _S_ATTENTION2, "Graphic symbol for marking on a PCB", Assembly type="Graphic symbol", Case/Package="Graphic symbol", Footprint check status=Verified, Manufacturer Part Number 1="Graphic symbol", Note="Graphic symbol", Publisher="Catcatcat Electronics", Supplier URL 1=https://jlcpcb.com/parts/componentSearch?searchTxt=, Website developer=http://catcatcat.d-lan.dp.ua/
GS7: library part _S_SE, "Graphic symbol for marking on a PCB", Assembly type="Graphic symbol", Case/Package="Graphic symbol", Footprint check status=Verified, Manufacturer Part Number 1="Graphic symbol", Note="Graphic symbol", Publisher="Catcatcat Electronics", Supplier URL 1=https://jlcpcb.com/parts/componentSearch?searchTxt=, Website developer=http://catcatcat.d-lan.dp.ua/
LD1 LD3 LD4: library part "KT-0603R (B)", "0603 Red 520~625NM 90~100MCD@20MA Top View RoHS", Case/Package=0603, Manufacturer 1="Hubei KENTO Elec", Millicandela Rating=30~50mcd@5mA, Operating Temperature=-40°C~+85°C, Supplier Part Number 1=C2286, Temp.Characteristic="-40C to +85C", Assembly type="Basic Part", Detailed Description="-40℃~+85℃ Red 0603  Light Emitting Diodes (LED) ROHS", Footprint check status=Verified, HelpURL=https://datasheet.lcsc.com/szlcsc/Hubei-KENTO-Elec-KT-0603R_C2286.pdf, Manufacturer Part Number 1=KT-0603R, MountType=SMD, Note="LED Red", Publisher="Catcatcat Electronics", QuantityElements=1, Supplier 1=LCSC, Supplier Unit Price 1=0.0053, Supplier URL 1=https://www.lcsc.com/product-detail/Light-Emitting-Diodes-LED_Hubei-KENTO-Elec-KT-0603R_C2286.html, Wavelength(Range or typical)=619~625nm, Website developer=http://catcatcat.d-lan.dp.ua/
LD2 LD5: library part "19-213/Y2C-CQ2R2L/3T(CY) (B)", "0603 Yellow Colorless transparence -40℃~+85℃ 585.5nm~591.5nm yellow 120° 60mW 0603  Light Emitting Diodes (LED) ROHS", Case/Package=0603, Manufacturer 1="Everlight Elec", Manufacturer Part Number 1=19-213/Y2C-CQ2R2L/3T(CY), Millicandela Rating=90~180mcd@20mA, Supplier Part Number 1=C72038, Temp.Characteristic="-40C to +85C", Assembly type="Basic Part", Detailed Description="Colorless transparence -40℃~+85℃ 585.5nm~591.5nm yellow 120° 60mW 0603  Light Emitting Diodes (LED) ROHS", Footprint check status=Verified, HelpURL=https://datasheet.lcsc.com/lcsc/1810101813_Everlight-Elec-19-213-Y2C-CQ2R2L-3T-CY_C72038.pdf, MountType=SMD, Note="Light Emitting Diodes", Publisher="Catcatcat Electronics", QuantityElements=1, Supplier 1=LCSC, Supplier Unit Price 1=0.0195, Supplier URL 1=https://www.lcsc.com/product-detail/Light-Emitting-Diodes-LED_Everlight-Elec-19-213-Y2C-CQ2R2L-3T-CY_C72038.html, Wavelength(Range or typical)=585.5~591.5nm, Website developer=http://catcatcat.d-lan.dp.ua/
LL1: library part "74AHC1G04GW,125 (E)", "IC INVERTER 1CH 1-INP 5TSSOP", Case/Package="5-TSSOP, SC-70-5, SOT-353", Manufacturer 1="Nexperia USA Inc.", Operating Temperature="-40°C ~ 125°C (TA)", Supplier Part Number 1=C148197, Voltage="2 V ~ 5.5 V", Assembly type="Extended Part", Detailed Description="Inverter IC 1 Channel  5-TSSOP", Footprint check status=Verified, HelpURL=https://assets.nexperia.com/documents/data-sheet/74AHC_AHCT1G04.pdf, Manufacturer Part Number 1=74AHC1G04GW,125, MountType=SMD, Note="Inverter IC 1 Channel", Publisher="Catcatcat Electronics", QuantityElements=1, Supplier 1=LCSC, Supplier Unit Price 1=0.0493, Supplier URL 1=https://www.digikey.com/product-detail/en/nexperia-usa-inc/74AHC1G04GW125/1727-3147-2-ND/1022776, Website developer=http://catcatcat.d-lan.dp.ua/
MCU1: library part "PIC18F27Q84-I/SS (E)", "SSOP-28, 128KB 1.8V~5.5V PIC 64MHz 25 SSOP-28-208mil Microcontroller Units (MCUs/MPUs/SOCs) ROHS", Case/Package=SSOP-28-208mil, Manufacturer 1="Microchip Tech", Operating Temperature=-40℃~+85℃, Supplier Part Number 1=C2987163, Temp.Characteristic="-40C to +85C", Voltage=1.8V~5.5V, Assembly type="Extended Part", Detailed Description="SSOP-28-208mil  Microcontroller Units (MCUs/MPUs/SOCs) ROHS", ECCN=EAR99, Footprint check status=Verified, HelpURL=https://ww1.microchip.com/downloads/aemDocuments/documents/MCU08/ProductDocuments/DataSheets/PIC18F27-47-57Q84-Data-Sheet-40002213D.pdf, Manufacturer Part Number 1=PIC18F27Q84-I/SS, Manufacturer URL=https://www.microchip.com/en-us/product/PIC18F27Q84, MountType=SMD, Note=Microcontroller, Publisher="Catcatcat Electronics", QuantityElements=1, Speed=64MHz, Supplier 1=LCSC, Supplier Unit Price 1=3.1065, Supplier URL 1=https://www.lcsc.com/product-detail/Microcontroller-Units-MCUs-MPUs-SOCs_Microchip-Tech-PIC18F27Q84-I-SS_C2987163.html, Website developer=http://catcatcat.d-lan.dp.ua/
MM1: library part "Z3OC1T8219731 (E)", "DC Motor Vibration, ROHS", Case/Package=SMD, Manufacturer 1=KOTL, Supplier Part Number 1=C2894731, Voltage=2-3.6V, Assembly type="Extended Part", Footprint check status=Verified, HelpURL=https://www.endrich.com/sixcms/media.php/2/Z30C1T8219651.pdf, Manufacturer Part Number 1=Z3OC1T8219731, MountType=Plug-in, Note="Micro Motor & Motor ROHS", Publisher="Catcatcat Electronics", QuantityElements=1, Supplier 1=LCSC, Supplier Unit Price 1=0.6504, Website developer=http://catcatcat.d-lan.dp.ua/
PBZ1: library part "KLJ-1102 (E)", "Piezoelectric buzzer, Externally Driven 70dB@5V,10cm Externally Driven SMD,9x11mm  Buzzers ROHS", Case/Package=SMD,9x11mm, Current=≤120mA, Manufacturer 1=KELIKING, Operating Temperature="-20 ~ +80", Supplier Part Number 1=C201047, Voltage=5V, Assembly type="Extended Part", Detailed Description="Externally Driven 70dB@5V,10cm Externally Driven SMD,9x11mm  Buzzers ROHS", Footprint check status=Verified, HelpURL=https://datasheet.lcsc.com/lcsc/1808301123_KELIKING-KLJ-1102_C201047.pdf, Manufacturer Part Number 1=KLJ-1102, MountType=SMD, Note="Piezoelectric buzzer", Publisher="Catcatcat Electronics", QuantityElements=1, Sound Pressure Level (dB/min.)=≥75dB, Supplier 1=LCSC, Supplier Unit Price 1=0.4680, Supplier URL 1=https://www.lcsc.com/product-detail/Buzzers_KELIKING-KLJ-1102_C201047.html, Website developer=http://catcatcat.d-lan.dp.ua/
PSE1 PSE2 PSE3 PSE4 PSE5: "Proximity sensor,", Case/Package=d2mm, Assembly type="PCB component", Footprint check status=Verified, Publisher="Catcatcat Electronics", Website developer=http://catcatcat.d-lan.dp.ua/
Qn1: library part "2N7002 (B)", "N-Channel SOT-23 60V 115mA 200mW 7.5Ω@10V,500mA 2.5V@250uA  SOT-23(SOT-23-3)  MOSFETs ROHS", Case/Package=SOT-23, Manufacturer 1="Changjiang Electronics Tech (CJ)", Operating Temperature="-55°C ~ 150°C (TJ)", Supplier Part Number 1=C8545, Temp.Characteristic="-40C to +85C", Voltage=60V, Assembly type="Basic Part", Detailed Description="60V 115mA 200mW 7.5Ω@10V,500mA 2.5V@250uA N Channel SOT-23(SOT-23-3)  MOSFETs ROHS", Footprint check status=Verified, HelpURL=https://datasheet.lcsc.com/szlcsc/Changjiang-Electronics-Tech-CJ-2N7002_C8545.pdf, Manufacturer Part Number 1=2N7002, Marking=7002, MountType=SMD, Note=Transistor, Publisher="Catcatcat Electronics", QuantityElements=1, Supplier 1=LCSC, Supplier Unit Price 1=0.0139, Supplier URL 1=https://jlcpcb.com/parts/componentSearch?searchTxt=C8545, Website developer=http://catcatcat.d-lan.dp.ua/
Qp1 Qp2: library part "AO3401A (B)", "P-Channel SOT-23-3L 30V 4A 44mΩ@10V,4.3A 1.4W 1.3V@250uAl SOT-23-3L  MOSFETs ROHS", Case/Package=SOT-23-3L, Current=4A, Manufacturer 1="Alpha & Omega Semicon", Operating Temperature=-55℃~+150℃@(Tj), Supplier Part Number 1=C15127, Temp.Characteristic="-40C to +85C", Voltage="30V 4A", Assembly type="Basic Part", Detailed Description="30V 4A 44mΩ@10V,4.3A 1.4W P Channel SOT-23  MOSFETs ROHS", Footprint check status=Verified, HelpURL=https://datasheet.lcsc.com/szlcsc/Alpha-Omega-Semicon-AOS-AO3401A_C15127.pdf, Manufacturer Part Number 1=AO3401A, MountType=SMD, Note=Transistor, Publisher="Catcatcat Electronics", QuantityElements=1, Supplier 1=LCSC, Supplier Unit Price 1=0.0591, Supplier URL 1=https://www.lcsc.com/product-detail/MOSFETs_Alpha-Omega-Semicon-AO3401A_C15127.html, Website developer=http://catcatcat.d-lan.dp.ua/